# KiCad board Neptune.kicad_pcb (continued)
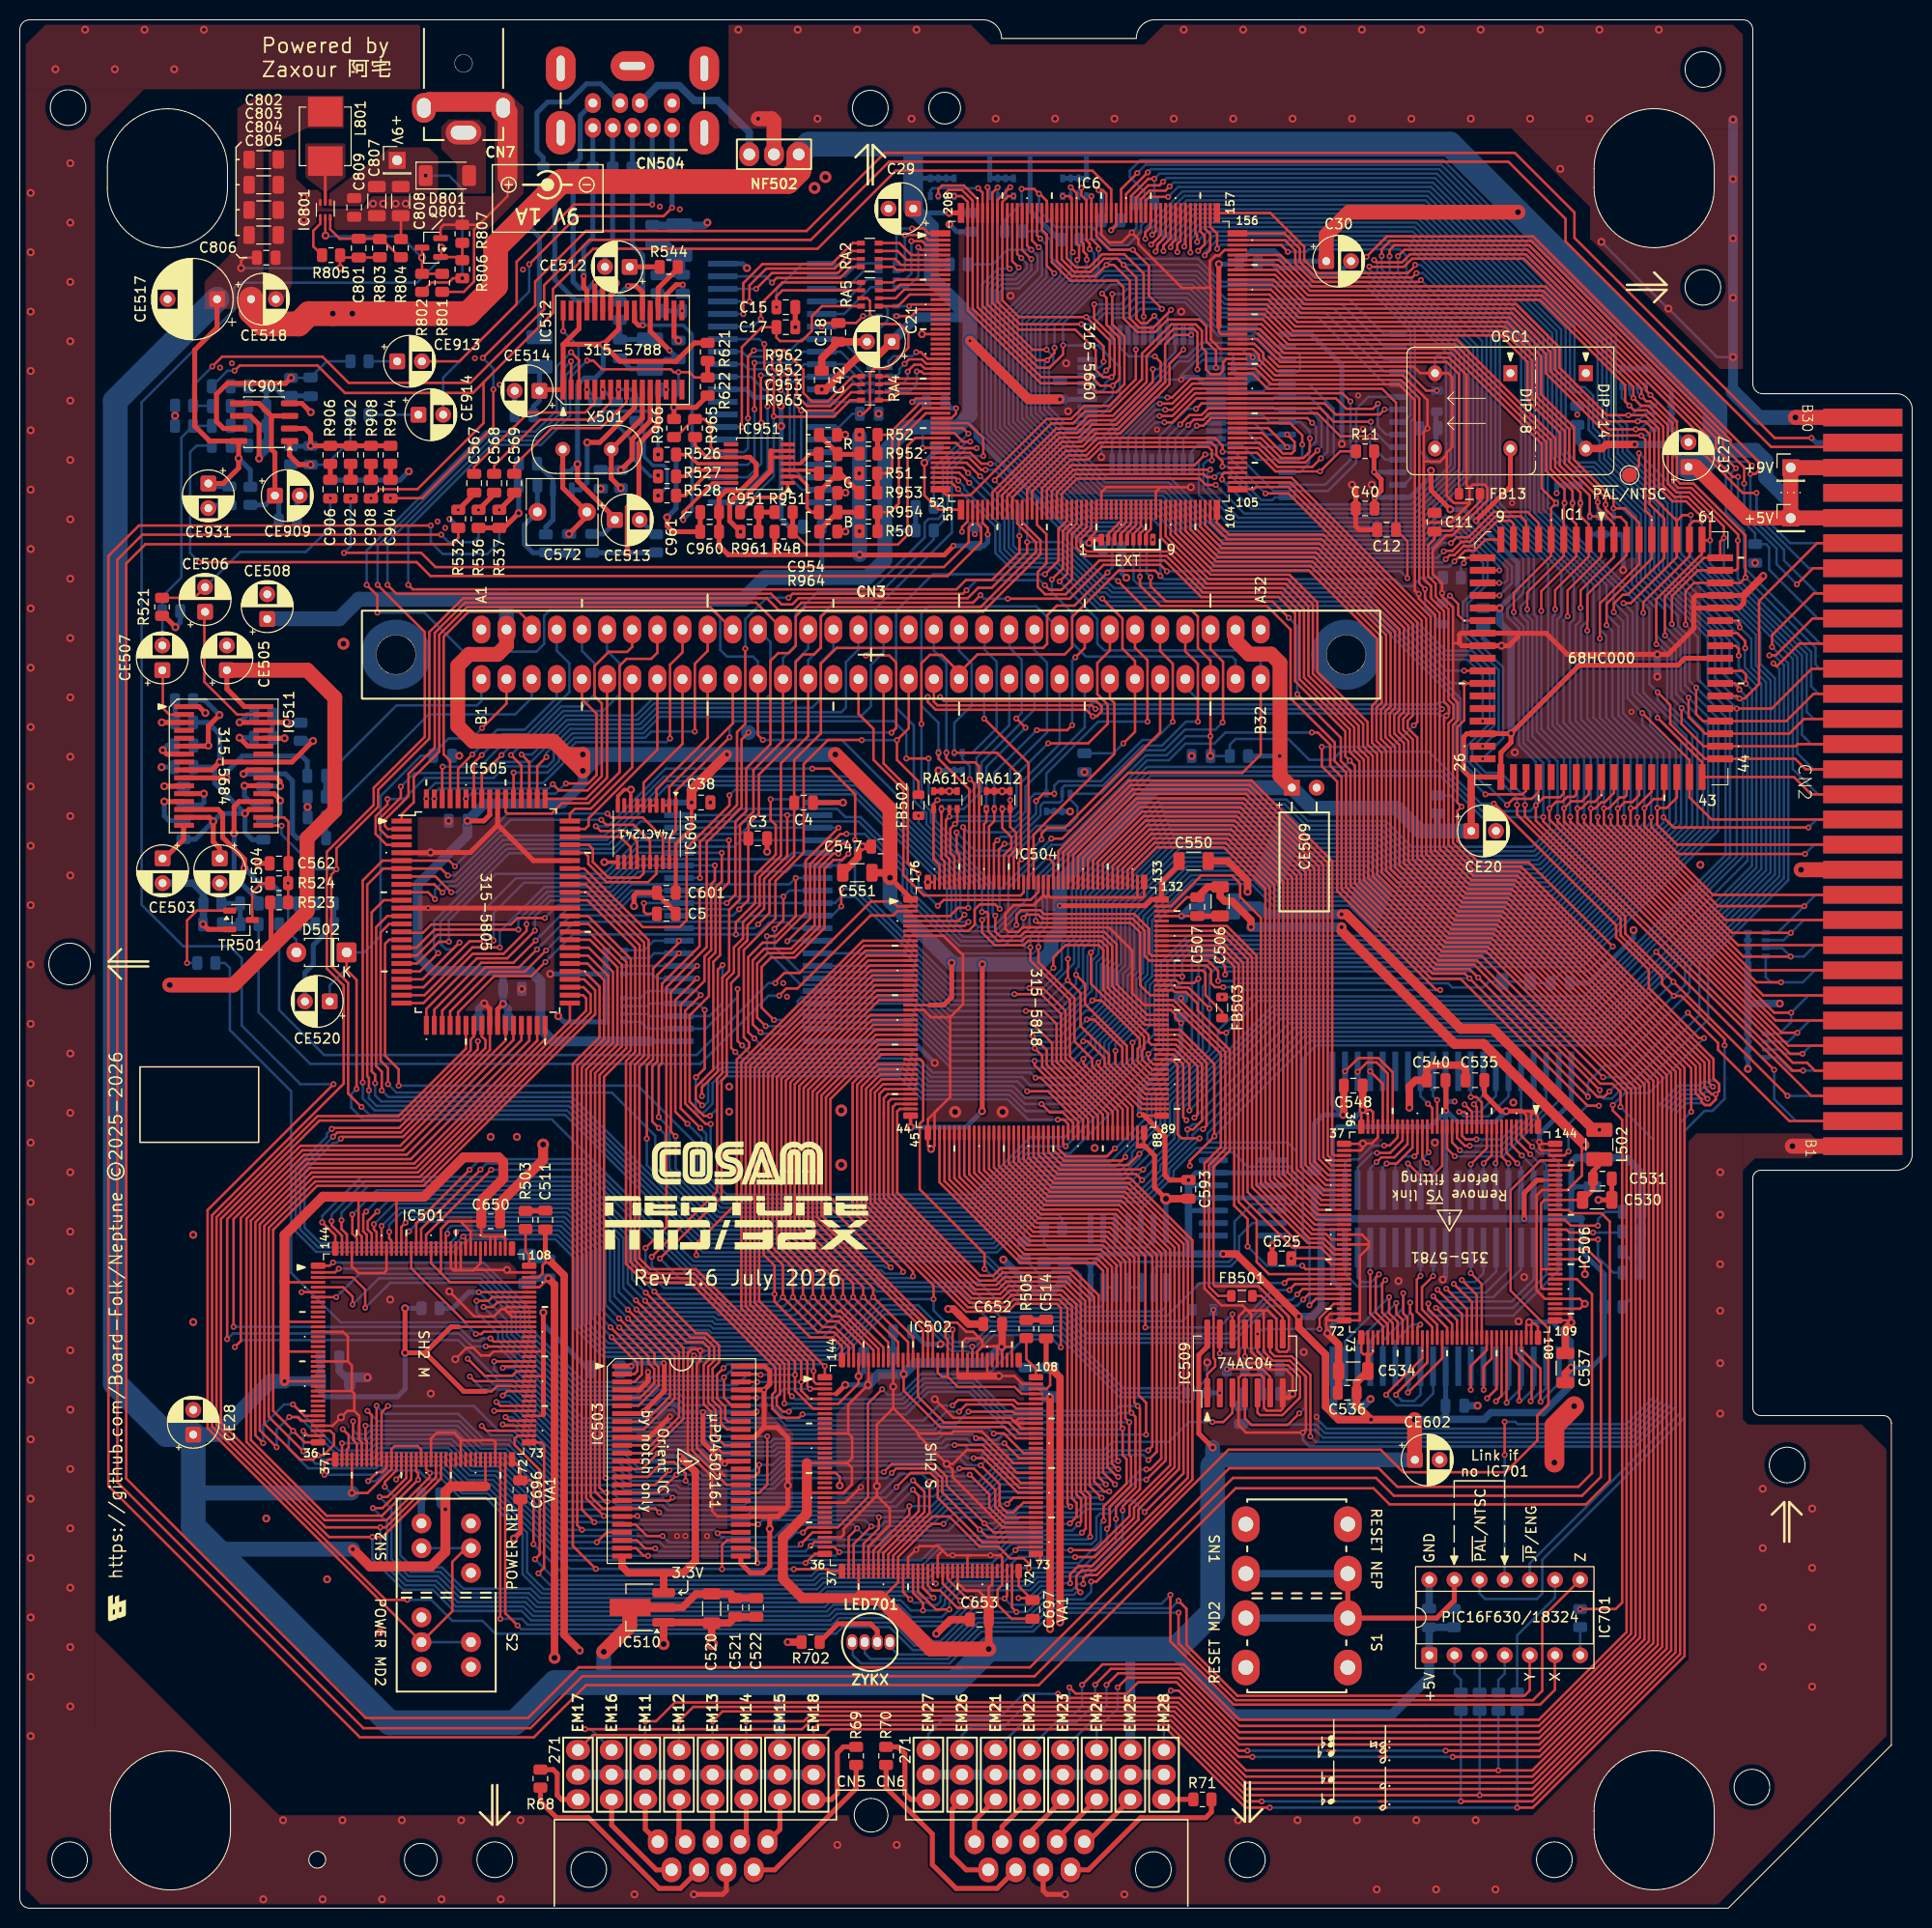
[diagram p0: board, top side]
## Routing (per net, layer and track width the routed paths; a pad name or vN(x,y) marks a point on that pad's centre or on a via; arc(x,y) is an arc through that point) (continued)
SHD11: length 119.5
  Top w0.25: IC504.13 85.72,95.8 74.7,84.78 74.7,61.39 81.29,54.8 v1(81.34,54.8) IC502.1 ; v1(31.65,65.28) 31.32,64.95 IC501.1 ; v1(71.1,54.6) 70.45,53.95 70.45,51.52 71.28,50.69 71.28,49.48 71.56,49.2 IC503.43
  Bottom w0.25: v1(31.65,65.28) 46.85,65.28 51.47,60.65 51.47,58.75 57.05,53.18 63.38,53.18 63.97,53.77 70.27,53.77 v1(71.1,54.6) 71.5,55 81.14,55 v1(81.34,54.8)
SHD12: length 117.1
  Top w0.25: IC504.12 85.58,96.3 74.25,84.97 74.25,61.2 80.2,55.26 v1(80.2,54.3) 80.2,53.27 80.47,53 IC502.2 ; IC503.45 71.94,50.8 71.53,51.22 71.53,51.22 71.15,51.6 v1(71.15,53.65) ; v1(32.23,64.65) 31.85,64.28 IC501.2
  Bottom w0.25: v1(80.2,54.3) 79.95,54.55 72.05,54.55 v1(71.15,53.65) 70.82,53.32 64.16,53.32 63.56,52.72 56.86,52.72 51.03,58.56 51.03,60.46 46.84,64.65 v1(32.23,64.65)
SHD13: length 119.1
  Top w0.25: v1(34.9,60.7) 34.9,62.53 33.65,63.78 IC501.3 ; IC504.11 85.45,96.8 73.8,85.15 73.8,61.02 79.57,55.24 79.57,52.78 v1(79.85,52.5) IC502.3 ; v1(74.4,51.6) IC503.46
  Bottom w0.25: v1(34.9,60.7) 37.42,63.22 46.35,63.22 49.67,59.9 49.67,58 56.3,51.38 64.12,51.38 64.72,51.97 66.65,51.97 67.02,51.6 v1(74.4,51.6) 76.3,51.6 77.2,52.5 v1(79.85,52.5)
SHD14: length 119
  Top w0.25: IC502.5 79.78,51.5 78.95,52.33 v1(78.95,53.2) 78.95,55.23 73.35,60.83 73.35,85.34 85.31,97.3 IC504.10 ; v1(74.5,53.2) IC503.48 ; IC501.5 32.67,62.78 33.62,61.83 v1(33.62,61.03)
  Bottom w0.25: v1(33.62,61.03) 36.28,63.68 46.54,63.68 50.12,60.09 50.12,58.19 56.49,51.83 63.93,51.83 64.53,52.42 73.72,52.42 v1(74.5,53.2) v1(78.95,53.2)
SHD15: length 119.3
  Top w0.25: IC504.9 85.17,97.8 72.9,85.53 72.9,60.65 78.32,55.22 v1(78.32,53.92) 78.32,52.32 80.15,50.5 IC502.7 ; IC503.49 74.77,54 v1(74.85,53.92) ; IC501.7 v1(31.97,61.78)
  Bottom w0.25: v1(31.97,61.78) 34.32,64.12 46.73,64.12 50.57,60.28 50.57,58.38 56.68,52.28 63.75,52.28 64.35,52.87 72.45,52.87 73.49,53.92 v1(74.85,53.92) v1(78.32,53.92)
SHDREQ0: length 144.2
  Top w0.25: v1(99.5,31.3) 99.75,31.55 IC502.70 ; IC504.66 102.42,75.97 104.62,73.78 112.22,73.78 118.47,67.53 118.47,43.34 108.81,33.68 107.7,33.68 107.45,33.43 v1(107.45,32.78) ; v1(48.55,29.25) IC501.70
  Bottom w0.25: v1(48.55,29.25) 50.72,29.25 51.32,28.65 82.1,28.65 82.77,29.33 88.27,29.33 90.59,27 93.02,27 97.32,31.3 v1(99.5,31.3) 100.12,30.68 101.9,30.68 103.35,32.12 106.3,32.12 106.95,32.78 v1(107.45,32.78)
SHDREQ1: length 145.3
  Top w0.25: v1(107.16,31.94) 106.75,32.35 106.75,33.6 107.3,34.15 108.65,34.15 118.03,43.53 118.03,67.34 112.04,73.33 104.44,73.33 101.92,75.84 IC504.65 ; v1(50.29,28.58) 49.05,29.82 IC501.71 ; v1(100.7,29.95) 100.25,30.4 IC502.71
  Bottom w0.25: v1(50.29,28.58) 50.67,28.2 82.28,28.2 82.96,28.88 88.08,28.88 90.4,26.55 93.2,26.55 96.6,29.95 v1(100.7,29.95) 101.81,29.95 103.53,31.67 106.49,31.67 106.75,31.94 v1(107.16,31.94)
SHRDWR: length 136.2
  Top w0.25: IC504.59 98.92,75.02 103.32,70.62 110.92,70.62 115.32,66.22 115.32,45.45 114.22,44.35 v1(113.82,44.35) ; v1(67.28,43.2) 67.28,43.95 66.12,45.1 64.95,45.1 63.45,43.6 IC503.15 ; IC502.77 98.38,38 v1(97.47,38.9) 93.65,42.73 93.65,43.63 92.38,44.9 88.1,44.9 v1(87.3,44.1) ; IC501.77 49.46,49.28 v1(49.08,49.65)
  Bottom w0.25: v1(113.82,44.35) 113.25,44.35 109.77,40.87 107.64,40.87 106.75,39.97 100.81,39.97 100.59,39.75 99.28,39.75 98.43,38.9 v1(97.47,38.9) ; v1(87.3,44.1) 77.26,44.1 76.01,42.85 67.62,42.85 v1(67.28,43.2) 61.7,43.2 60.32,44.58 54.83,44.58 49.76,49.65 v1(49.08,49.65)
SL1: length 23.2
  Bottom w0.25: C591.1 38.07,121.59 46.2,121.59 46.64,122.03 CN3.b1
  Bottom w0.5: C591.1 30.91,114.43 R512.2
SL2: length 199.1
  Top w0.25: CN2.b29 185.78,147.73 176.94,147.73 156.17,168.49 156.17,170.78 150.4,176.55 87.82,176.55 79.93,168.65 57.57,168.65 52.97,164.06 52.97,161.64 45.53,154.2 33.22,154.2 30.57,156.85 20.44,156.85 v1(19.44,155.85)
  Bottom w0.25: 19.41,151.85 C903.1 ; 19.42,151.88 17.54,151.88 R41.1 17.51,153.91 19.44,155.84 v1(19.44,155.85)
SL4: length 25.4
  Bottom w0.25: CE507.2 14.4,132.6 16.32,134.53 16.32,148.66 R909.1 17.51,149.85 C905.1 ; 19.38,149.88 19.4,149.85
SR1: length 29.8
  Bottom w0.25: CN3.b3 51.72,122.34 50.06,120.69 41.33,120.69 R511.2
  Bottom w0.5: R511.2 30.91,108.21 C589.1
SR2: length 183.9
  Top w0.25: v1(47.85,153.53) 47.85,149.73 40.66,142.54 v1(37.45,142.54) ; v1(181.03,148.62) 177.31,148.62 157.08,168.86 157.08,171.43 151.05,177.45 87.39,177.45 79.49,169.55 57.2,169.55 52.07,164.43 52.07,162.02 v1(46.78,156.72)
  Bottom w0.25: v1(47.85,153.53) 47.85,155.64 v1(46.78,156.72)
  Bottom w0.5: v1(181.03,148.62) 181.49,148.16 CN2.a29
SR4: length 22.9
  Top w0.25: R521.1 17.64,132.46 CE506.2
  Bottom w0.25: v1(31.38,142.54) 31.38,139.57 28.9,137.1 22.28,137.1 CE506.2
TX0M: length 69.3
  Top w0.25: v1(46.15,61.4) 47.37,61.4 47.74,61.78 IC501.102 ; IC502.101 100.53,50 100.33,50.2 v1(95.85,50.2)
  Bottom w0.25: v1(46.15,61.4) 46.15,60.28 48.32,58.1 48.32,57.45 56.7,49.08 76.46,49.08 77.19,48.35 92.41,48.35 93.01,48.95 94.6,48.95 v1(95.85,50.2)
TX0S: length 68.1
  Top w0.25: IC502.102 100.67,50.5 100.25,50.93 95.63,50.93 v1(94.9,50.2) ; v1(46.85,60.78) 47.78,60.78 48.28,61.28 IC501.101
  Bottom w0.25: v1(94.9,50.2) 93.62,50.2 92.22,48.8 77.38,48.8 76.65,49.53 66.84,49.53 65.99,50.37 65.38,50.37 64.53,49.53 56.88,49.53 48.78,57.63 48.78,58.85 v1(46.85,60.78)
VA1: length 314.2
  Top w0.25: v1(72.35,98.44) 72.35,99.66 74.3,101.61 74.3,104.43 76.38,106.51 76.38,109.5 75.86,110.02 v1(75.86,112.1) ; v1(102.1,97.13) 102.1,95.8 106.1,91.8 106.1,86.1 111.42,80.77 IC504.84 ; v1(53.1,95.65) 51.67,94.22 47.92,94.22 44.28,90.58 IC505.29 ; v1(128.12,167.45) 127.44,168.12 IC6.154 ; IC1.32 155.99,112.69 155.6,112.3 153.99,112.3 v1(153.18,111.49) 153.18,109.95 181.01,82.12 CN2.b3
  Bottom w0.25: 102.02,99.13 102.02,100.36 101.66,100.73 101.12,100.73 98.6,98.2 95.3,98.2 93.67,99.83 93.67,103.05 84.12,112.6 79.05,112.6 78.55,112.1 v1(75.86,112.1) ; 102.02,99.08 101.3,98.35 101.3,97.4 101.57,97.13 v1(102.1,97.13) 102.1,98.3 103.35,99.55 103.35,104.21 114.06,114.93 143.72,114.93 147.75,110.9 152.59,110.9 v1(153.18,111.49) 153.18,115.89 151.47,117.59 151.47,129.4 150.5,130.37 150.33,130.55 150.33,130.76 150.32,130.77 150.32,131.28 150.33,131.29 150.33,131.38 151.91,132.96 151.91,136.44 147.28,141.07 147.28,157.92 140.11,165.09 140.11,167.02 139.88,167.26 139.88,167.26 139.51,167.63 139.51,167.63 139.43,167.7 130.22,167.7 129.97,167.45 v1(128.12,167.45) ; IC2.11 80.58,99.05 78.15,99.05 77.55,99.65 75.7,99.65 74.49,98.44 v1(72.35,98.44) 55.89,98.44 v1(53.1,95.65)
VA2: length 287.9
  Top w0.25: IC504.83 110.92,80.64 105.65,85.91 105.65,90.72 103.35,93.02 v1(102,93.02) ; IC505.28 43.48,90.66 47.49,94.68 51.03,94.68 v1(53.17,96.83) ; IC6.155 127.82,168.62 128.88,167.57 128.88,166.25 130.73,164.4 141.37,164.4 v1(141.57,164.59) ; IC1.33 157.27,112.59 157.03,112.35 156.35,112.35 155.85,111.85 155.22,111.85 v1(154.55,111.18) 154.55,110.05 179.13,85.47 180.58,85.47 181.39,84.66 CN2.b4 ; v1(83,103.03) v1(83,101.28)
  Bottom w0.25: v1(53.17,96.83) 56.06,99.72 73.1,99.72 73.72,100.33 80.59,100.33 IC2.10 82.06,100.34 v1(83,101.28) ; v1(83,103.03) 84.26,103.03 94.26,93.02 v1(102,93.02) 103.37,93.02 105.28,94.93 105.28,97.43 106.3,98.46 106.3,103.22 115.16,112.08 127.97,112.08 130.15,109.9 138.03,109.9 140.63,107.3 152.79,107.3 154.55,109.06 v1(154.55,111.18) 154.55,115.95 152.38,118.12 152.38,129.99 151.66,130.71 151.66,131.6 152.46,132.4 152.46,136.53 147.74,141.25 147.74,158.42 v1(141.57,164.59)
VA3: length 287.4
  Top w0.25: IC6.156 127.79,169.3 129.32,167.76 129.32,166.44 130.91,164.85 140.68,164.85 v1(141.11,165.29) ; IC1.34 158.53,112.61 157.83,111.9 156.75,111.9 v1(156.03,111.18) 156.03,109.85 178.68,87.2 CN2.b5 ; v1(52.25,96.93) 50.45,95.12 47.06,95.12 42.68,90.75 IC505.27 ; v1(100.5,92.4) 103.2,92.4 105.2,90.4 105.2,85.72 110.42,80.5 IC504.82
  Bottom w0.25: v1(141.11,165.29) 141.76,165.29 148.19,158.85 148.19,141.43 152.98,136.64 152.98,130.82 153.28,130.52 153.28,118.95 156.03,116.2 156.03,109.26 153.17,106.4 140.25,106.4 137.65,109 129.78,109 127.6,111.18 115.53,111.18 107.2,102.84 107.2,98.09 106.53,97.41 106.53,95.53 103.4,92.4 v1(100.5,92.4) 94.25,92.4 84.43,102.22 82.97,102.22 82.36,101.61 IC2.9 72.37,101.61 71.75,100.99 64.21,100.99 63.57,100.35 55.67,100.35 v1(52.25,96.93)
VA4: length 299.2
  Top w0.25: v1(101.65,90.7) 103.44,90.7 104.75,89.39 104.75,85.54 109.92,80.36 IC504.81 ; IC505.26 41.88,90.83 46.63,95.58 49.88,95.58 v1(52.12,97.83) ; v1(76.25,99) 77.15,99.91 v1(77.15,102.27) ; 120.95,171.38 126.35,171.38 129.78,167.95 129.78,166.62 131.1,165.3 140.25,165.3 140.97,166.03 v1(140.97,166.12) ; IC1.35 159.8,112.53 159.13,111.85 158.46,111.85 157.78,111.18 v1(157.37,111.18) 157.37,109.77 177.41,89.74 CN2.b6
  Bottom w0.25: v1(140.97,166.12) 141.56,166.12 148.64,159.04 148.64,141.62 154.41,135.85 154.41,119.27 157.37,116.3 157.37,109.34 153.54,105.5 139.88,105.5 137.28,108.1 129.4,108.1 127.23,110.28 115.9,110.28 108.1,102.47 108.1,97.68 107.43,97 107.43,93.23 104.9,90.7 v1(101.65,90.7) 94.04,90.7 90.11,94.64 78.81,94.64 76.25,97.2 v1(76.25,99) ; v1(52.12,97.83) 55.26,100.96 60.54,100.96 61.84,102.25 77.13,102.25 77.76,102.88 IC2.8 80.68,102.8
VA5: length 305.6
  Top w0.25: CN2.b7 176.14,92.28 158.72,109.7 v1(158.72,111.18) 159.17,111.18 159.79,111.8 160.13,111.8 161.08,112.75 161.08,114.36 ; v1(75.48,98.27) 76.39,98.27 78.4,100.28 v1(78.4,104.15) ; IC505.25 41.08,90.91 46.19,96.03 49.25,96.03 v1(52.05,98.83) ; v1(120.97,167.75) 120.97,169.28 120.28,169.98 120.28,171.88 ; IC504.80 109.42,80.23 104.3,85.35 104.3,87.45 v1(102.3,89.45)
  Bottom w0.25: v1(52.05,98.83) 52.05,100.28 53.63,101.86 60.17,101.86 61.81,103.5 77.75,103.5 v1(78.4,104.15) IC2.7 80.65,104.2 ; v1(120.97,167.75) 121.37,168.15 140.17,168.15 149.09,159.23 149.09,141.81 155.75,135.15 155.75,130.69 155.33,130.26 155.33,119.75 158.72,116.35 158.72,109.41 153.91,104.6 139.51,104.6 136.91,107.2 129.03,107.2 126.86,109.38 116.28,109.38 109,102.1 109,96.45 108.33,95.77 108.33,92.78 106.91,91.36 106.9,91.36 104.99,89.45 v1(102.3,89.45) 94.02,89.45 90.13,93.34 78.91,93.34 75.48,96.77 v1(75.48,98.27)
VA6: length 325.4
  Top w0.25: v1(51.2,99.48) 51.2,98.8 48.88,96.47 45.76,96.47 40.78,91.5 IC505.24 ; v1(83.72,106.6) 83.1,105.98 82.21,105.98 81.3,105.06 81.3,99.1 78.3,96.1 75.9,96.1 74.95,95.15 74.95,91.04 v1(76.2,89.79) ; CN2.b8 174.88,94.82 160.05,109.65 v1(160.05,111.18) 160.53,111.18 161.66,112.3 162.13,112.3 162.34,112.52 IC1.37 ; 119.78,171.88 119.78,169.75 120.28,169.25 120.28,167.64 v1(119.72,167.09) ; IC504.79 108.92,80.09 103.75,85.27 103.75,86.75 v1(102.3,88.2)
  Bottom w0.25: v1(51.2,99.48) 51.2,100.06 53.45,102.31 59.98,102.31 62.47,104.8 77.47,104.8 78.09,105.42 IC2.6 82.54,105.42 v1(83.72,106.6) ; v1(76.2,89.79) 77.13,89.79 78.6,91.25 78.6,91.71 78.97,92.08 90.12,92.08 94,88.2 v1(102.3,88.2) 105.17,88.2 107.72,90.75 108.34,90.75 109.23,91.64 109.23,95.4 109.9,96.07 109.9,101.73 116.65,108.48 126.48,108.48 128.66,106.3 136.54,106.3 139.14,103.7 154.28,103.7 160.05,109.47 160.05,116.48 156.6,119.93 156.6,129.87 157.03,130.3 157.03,134.5 149.54,141.99 149.54,159.41 140.35,168.6 120.93,168.6 119.72,167.39 v1(119.72,167.09)
VA7: length 323.8
  Top w0.25: v1(119.06,167.54) 119.06,167.54 119.71,168.19 119.71,169.08 119.28,169.52 119.28,171.88 ; CN2.b9 173.61,97.36 161.46,109.51 v1(161.46,111.17) 161.51,111.17 162.17,111.83 162.93,111.83 163.61,112.51 IC1.38 ; v1(48.5,97.12) 45.72,97.12 40.9,92.3 IC505.23 ; v1(82.7,106.6) 82.2,106.6 80.8,105.2 80.8,99.24 78.11,96.55 75.55,96.55 74.5,95.5 74.5,90.69 74.5,90.69 74.5,90.02 v1(75.36,89.16) ; v1(102.55,86.92) 103.3,86.17 103.3,85.08 108.42,79.95 IC504.78
  Bottom w0.25: v1(82.7,106.6) 80.69,106.6 IC2.5 78.06,106.69 77.42,106.05 62.44,106.05 59.61,103.22 53,103.22 48.5,98.72 v1(48.5,97.12) ; v1(119.06,167.54) 120.57,169.05 140.54,169.05 151.68,157.91 151.68,140.49 158.4,133.77 158.4,130.15 157.75,129.5 157.75,120.17 161.46,116.47 161.46,109.6 154.66,102.8 138.6,102.8 136,105.4 128.29,105.4 126.11,107.58 117.02,107.58 110.8,101.35 110.8,95.68 110.13,95.01 110.13,91.27 105.78,86.92 v1(102.55,86.92) 94,86.92 90.12,90.81 78.97,90.81 77.32,89.16 v1(75.36,89.16)
VA8: length 326.1
  Top w0.25: CN2.b10 172.34,99.9 162.75,109.49 v1(162.75,111.2) 163.21,111.2 164.89,112.88 IC1.39 ; IC505.22 40.8,93.1 45.45,97.75 v1(46.9,97.75) ; 118.78,171.88 118.78,169.3 118.95,169.12 v1(118.95,168.44) ; v1(83.55,107.6) 82.54,107.6 80.3,105.36 80.3,99.37 77.93,97 75.22,97 74.05,95.83 74.05,90.5 74.05,90.5 74.05,89.35 v1(74.85,88.55) ; IC504.77 107.92,79.82 102.53,85.22 v1(102.53,85.65)
  Bottom w0.25: v1(83.55,107.6) 83.19,107.96 IC2.4 72.86,107.96 72.22,107.32 62.43,107.32 59.24,104.12 50.14,104.12 46.9,100.88 v1(46.9,97.75) ; v1(118.95,168.44) 120.01,169.5 140.73,169.5 152.13,158.1 152.13,140.67 159,133.8 159,120.35 162.75,116.6 v1(162.75,111.2) 162.75,109.62 155.03,101.9 138.23,101.9 135.63,104.5 127.91,104.5 125.74,106.68 117.4,106.68 111.7,100.98 111.7,95.31 111.03,94.63 111.03,90.89 108.22,88.09 108.22,87.54 106.34,85.65 v1(102.53,85.65) 94,85.65 90.1,89.55 78.8,89.55 77.65,88.4 75,88.4 v1(74.85,88.55)
VA9: length 332.6
  Top w0.25: IC504.76 107.42,79.68 103.16,83.95 v1(102.62,83.95) ; IC1.40 166.16,112.38 165.91,112.12 165.08,112.12 v1(164.15,111.2) 164.15,109.36 171.08,102.44 CN2.b11 ; v1(82.72,109.22) 79.4,105.9 79.4,100.64 76.36,97.6 75.05,97.6 73.6,96.15 73.6,88.55 v1(74.22,87.93) ; IC505.21 40.7,93.9 v1(44.42,97.62) ; v1(118.28,167.38) 118.28,171.88
  Bottom w0.25: v1(118.28,167.38) 118.3,167.4 118.3,168.68 119.57,169.95 140.91,169.95 152.58,158.28 152.58,140.86 159.62,133.82 159.62,129.3 160.28,128.65 160.28,120.38 164.15,116.5 164.15,109.75 155.4,101 137.85,101 135.25,103.6 127.54,103.6 125.37,105.78 117.77,105.78 112.6,100.61 112.6,94.94 111.93,94.26 111.93,90.52 109.12,87.72 109.12,86.58 106.5,83.95 v1(102.62,83.95) 102.1,84.47 92.25,84.47 89.92,86.8 75.35,86.8 v1(74.22,87.93) ; v1(44.42,97.62) 43.72,96.93 43.07,96.93 42.5,97.5 42.5,99.7 49.45,106.65 60.13,106.65 62.07,108.59 72.84,108.59 73.48,109.23 IC2.3 82.72,109.23 v1(82.72,109.22)
VA10: length 329
  Top w0.25: v1(42.28,96.55) 40.42,94.7 IC505.20 ; v1(72.3,86.55) 71.88,86.97 71.88,93.53 72.65,94.3 72.65,96.99 73.44,97.78 73.44,97.78 73.52,97.86 73.52,99.37 75.2,101.05 75.2,104.04 77.54,106.38 77.54,106.39 77.54,106.39 77.54,109.61 77.54,109.62 v1(77.54,110.5) ; IC504.75 106.92,79.54 103.89,82.58 v1(101.78,82.58) ; IC1.41 167.42,112.27 166.38,111.23 v1(165.45,111.23) 165.45,109.5 167.43,107.52 CN2.b13 ; v1(117.65,167.98) 117.78,168.1 117.78,171.88
  Bottom w0.25: v1(42.28,96.55) 41.85,96.97 41.85,99.75 49.2,107.1 59.95,107.1 62.7,109.86 72.25,109.86 72.9,110.5 v1(77.54,110.5) IC2.2 ; v1(117.65,167.98) 117.65,168.73 119.32,170.4 141.1,170.4 153.03,158.47 153.03,141.05 160.33,133.75 160.33,130.78 161.53,129.57 161.53,120.58 165.45,116.65 v1(165.45,111.23) 165.45,109.78 155.77,100.1 137.48,100.1 134.88,102.7 127.17,102.7 124.99,104.88 118.14,104.88 113.5,100.23 113.5,94.56 112.83,93.89 112.83,90.15 110.03,87.35 110.03,85.58 107.03,82.58 v1(101.78,82.58) 100.79,83.58 91.88,83.58 89.55,85.9 72.95,85.9 v1(72.3,86.55)
VA11: length 329.1
  Top w0.25: v1(116.95,167.43) 116.95,168.2 117.28,168.53 117.28,171.88 ; IC505.19 40.15,95.5 42.35,97.7 v1(43.35,97.7) ; IC504.74 106.42,79.41 105.38,80.45 104.08,80.45 v1(103.22,81.3) ; v1(68.94,81.16) 68.3,81.8 68.3,83 70.07,84.78 70.07,95.67 70.75,96.34 70.75,102.79 71.65,103.69 v1(71.65,107.96) ; v1(163.93,120.83) 168.7,116.06 168.7,112.3 170.93,110.06 CN2.b14
  Bottom w0.25: v1(71.65,107.96) IC2.37 62.44,107.96 59.05,104.57 48.07,104.57 43.35,99.85 v1(43.35,97.7) ; v1(68.94,81.16) 69.19,81.16 69.55,81.52 69.55,83.61 70.94,85 89.18,85 91.5,82.68 100.17,82.68 101.55,81.3 v1(103.22,81.3) 107.02,81.3 111.4,85.68 111.4,87.45 113.73,89.78 113.73,93.52 114.4,94.19 114.4,99.86 118.51,103.97 124.62,103.97 126.79,101.8 134.51,101.8 137.11,99.2 156.15,99.2 166.7,109.75 166.7,116.88 163.93,119.64 v1(163.93,120.83) 162.45,122.31 162.45,130.62 161.05,132.03 161.05,133.66 153.48,141.23 153.48,158.66 141.29,170.85 119.03,170.85 116.95,168.78 v1(116.95,167.43)
VA12: length 321.5
  Top w0.25: CN2.b15 181.01,112.6 179.25,114.36 IC1.43 169.97,115.85 v1(165.47,120.34) ; v1(116.28,167.9) 116.28,168.17 116.78,168.67 116.78,171.88 ; v1(47.88,97.83) 47.3,98.4 42.2,98.4 40.1,96.3 IC505.18 ; v1(104.88,79.72) 105.47,79.72 105.92,79.27 IC504.73 ; v1(69.73,80.1) 69.12,80.1 67.68,81.54 67.68,90.26 69.62,92.2 69.62,95.94 70.3,96.62 70.3,103.18 70.92,103.81 v1(70.92,106.69)
  Bottom w0.25: 69.65,106.69 IC2.36 ; 69.65,106.69 v1(70.92,106.69) ; 69.65,106.69 62.44,106.69 59.42,103.67 50.94,103.67 47.88,100.61 v1(47.88,97.83) ; v1(116.28,167.9) 116.45,168.07 116.45,169.03 118.72,171.3 141.47,171.3 153.93,158.84 153.93,141.42 163.4,131.95 163.4,122.88 165.47,120.8 v1(165.47,120.34) 167.85,117.97 167.85,109.63 156.52,98.3 118,98.3 115.3,95.6 115.3,93.82 114.63,93.14 114.63,88.35 113.25,86.97 113.25,86.25 106.72,79.72 v1(104.88,79.72) 101.85,79.72 99.8,81.78 91.13,81.78 88.81,84.1 71.31,84.1 70.45,83.24 70.45,80.82 v1(69.73,80.1)
VA13: length 323.9
  Top w0.25: IC504.72 105.42,77.28 v1(105.68,77.02) ; v1(165.47,122.93) 166.75,121.65 166.75,119.72 170.28,116.2 179.38,116.2 180.44,115.14 CN2.b16 ; v1(115.55,167.53) 115.55,168.08 116.28,168.81 116.28,171.88 ; v1(70.22,105.42) 70.22,103.9 69.85,103.52 69.85,96.87 69.17,96.19 69.17,93.72 66.78,91.33 66.78,80.85 v1(68.75,78.88) ; IC505.17 40.07,97.1 41.9,98.93 v1(50.38,98.93)
  Bottom w0.25: v1(70.22,105.42) IC2.35 62.45,105.42 59.79,102.76 53.26,102.76 50.38,99.87 v1(50.38,98.93) ; v1(68.75,78.88) 69.35,78.28 69.35,73.59 71.24,71.7 96.49,71.7 101.81,77.02 v1(105.68,77.02) 115.53,86.87 115.53,92.77 116.65,93.9 116.65,95.68 118.37,97.4 156.89,97.4 168.97,109.48 168.97,118.64 165.47,122.14 v1(165.47,122.93) 164.65,123.75 164.65,131.34 154.38,141.61 154.38,159.03 141.66,171.75 118.45,171.75 116,169.3 116,168.51 115.55,168.06 v1(115.55,167.53)
VA14: length 317.8
  Top w0.25: CN2.b17 179.61,117.68 179.4,117.47 IC1.45 170.14,117.47 167.9,119.7 v1(167.9,121.32) ; IC505.16 37.32,97.9 36.91,97.49 36.91,86.18 38.28,84.81 v1(38.28,83.15) ; v1(114.75,167.47) 114.93,167.65 114.93,168.16 115.78,169.01 115.78,171.88 ; IC504.71 104.92,76.78 105.67,76.03 109.85,76.03 v1(110.64,76.81)
  Bottom w0.25: v1(38.28,83.15) 62.45,83.15 68.45,77.16 68.45,73.21 70.86,70.8 96.86,70.8 101.93,75.87 109.69,75.87 v1(110.64,76.81) 110.73,76.81 113.9,79.99 113.9,82.4 118.42,86.92 118.42,95.88 119.05,96.5 157.27,96.5 170.08,109.31 170.08,119.14 v1(167.9,121.32) 166.9,122.32 166.9,127.11 165.33,128.68 165.33,131.41 162.89,133.85 162.89,140.52 158.61,144.8 156.69,144.8 154.83,146.66 154.83,159.21 141.84,172.2 118.17,172.2 115.5,169.53 115.5,168.65 114.92,168.07 114.92,167.64 v1(114.75,167.47)
VA15: length 333.4
  Top w0.25: IC504.70 104.42,76.64 105.49,75.58 111.33,75.58 v1(111.7,75.95) ; v1(53.05,100.1) 50.28,100.1 49.63,99.45 41.58,99.45 40.73,98.6 38.95,98.6 ; v1(68.68,102.88) 68.68,97.25 64.88,93.45 64.88,85.44 64.56,85.12 v1(64.56,79.97) ; CN2.b18 180.27,120.22 178.78,118.73 170.29,118.73 168.61,120.42 v1(168.61,122.38) ; v1(114.3,168.17) 115.28,169.15 115.28,171.88
  Bottom w0.25: v1(68.68,102.88) IC2.33 61.82,102.88 60.35,101.41 54.36,101.41 v1(53.05,100.1) ; v1(114.3,168.17) 115.05,168.92 115.05,169.8 117.9,172.65 142.03,172.65 155.28,159.4 155.28,146.87 156.9,145.25 158.8,145.25 163.34,140.71 163.34,134.13 166.22,131.25 166.22,129.55 167.8,127.98 167.8,123.19 v1(168.61,122.38) 171.1,119.89 171.1,109.06 157.64,95.6 120.3,95.6 119.75,95.05 119.75,93.4 119.53,93.18 119.53,86.75 114.8,82.02 114.8,79.46 111.7,76.36 v1(111.7,75.95) 110.73,74.97 102.3,74.97 97.23,69.9 70.49,69.9 65.65,74.74 65.65,77.77 65.64,77.78 65.64,78.3 65.65,78.31 65.65,78.88 v1(64.56,79.97)
VA16: length 325.3
  Top w0.25: v1(114.4,169.16) 114.78,169.53 114.78,171.88 ; IC505.14 37.32,99.5 36.45,98.64 36.45,85.68 37.2,84.93 v1(37.2,83.3) ; v1(169.37,123.4) 169.37,120.7 170.07,120.01 IC1.47 178.48,120.01 181.23,122.76 CN2.b19 ; 103.92,78.22 103.92,76.47 105.28,75.12 111.99,75.12 v1(113.12,76.26)
  Bottom w0.25: v1(37.2,83.3) 38.05,82.45 59.82,82.45 64.2,78.08 64.2,74.92 70.12,69 97.6,69 102.67,74.07 111.35,74.07 113.12,75.84 v1(113.12,76.26) 115.7,78.84 115.7,81.65 121.05,87 121.05,88.7 124.53,92.18 158.05,92.18 172.35,106.48 172.35,120.43 v1(169.37,123.4) 168.7,124.08 168.7,128.49 167.55,129.64 167.55,130.65 163.79,134.41 163.79,140.89 158.98,145.7 157.11,145.7 155.73,147.08 155.73,159.59 142.22,173.1 117.65,173.1 114.4,169.85 114.4,169.16 v1(114.4,169.16)
VA17: length 325.4
  Top w0.25: v1(113.71,168.75) 113.71,169.4 114.25,169.94 114.25,171.35 114.28,171.38 114.28,171.88 ; IC504.68 103.42,76.28 105.03,74.68 v1(113.5,74.68) ; IC1.48 173.47,121.28 v1(173.48,121.27) 177.02,121.27 181.05,125.3 CN2.b20 ; IC505.13 37.13,100.3 36,99.18 36,85.12 36.57,84.56 v1(36.57,82.68)
  Bottom w0.25: v1(113.71,168.75) 113.74,168.78 113.74,169.83 117.47,173.55 142.4,173.55 156.18,159.77 156.18,147.28 156.6,146.85 156.61,146.85 157.32,146.15 159.17,146.15 164.24,141.08 164.24,134.74 170.54,128.44 170.54,124.21 173.46,121.29 173.46,121.25 v1(173.48,121.27) 173.47,121.27 173.47,106.33 158.42,91.28 126.65,91.28 117.55,82.17 117.54,82.17 116.65,81.28 116.65,77.8 113.53,74.68 v1(113.5,74.68) 112,73.17 103.05,73.17 97.98,68.1 69.75,68.1 55.85,82 37.25,82 v1(36.57,82.68)
VA18: length 335.9
  Top w0.25: IC1.49 173.5,122.55 v1(173.75,122.29) 174.27,122.29 175.73,123.75 175.73,132.13 181.6,138 CN2.b25 ; IC505.11 36.78,101.9 35.56,100.68 35.56,84.6 35.9,84.26 v1(35.9,83.4) ; 113.78,171.88 113.78,172.63 114.14,173 v1(116.03,173) ; v1(113.39,73.61) 112.78,74.22 104.84,74.22 102.92,76.14 IC504.67
  Bottom w0.25: v1(35.9,83.4) 35.9,82.18 36.53,81.55 55.66,81.55 69.56,67.65 98.16,67.65 103.23,72.72 112.5,72.72 v1(113.39,73.61) 113.48,73.61 114.78,74.9 114.78,75.29 117.1,77.61 117.1,81.09 117.73,81.72 117.73,81.72 126.84,90.83 158.61,90.83 174.11,106.33 174.11,121.93 v1(173.75,122.29) 173.36,122.29 171.29,124.36 171.29,128.32 164.69,134.92 164.69,141.27 159.61,146.35 159.61,148.33 158.51,149.43 158.51,152.69 157.91,153.29 157.11,153.29 156.63,153.77 156.63,159.96 142.59,174 117.03,174 v1(116.03,173)
VA19: length 222.4
  Top w0.25: v1(117.88,79.65) 117.55,79.97 117.55,85.29 116.54,86.3 IC504.101 ; v1(165.35,96.68) 165.35,96.65 v1(177.25,84.75) ; 113.28,171.88 113.28,172.78 114.12,173.62 115.75,173.62 v1(116.18,174.05) ; v1(173.74,123.19) 173.74,123.39 173.31,123.82 171.8,123.82
  Bottom w0.25: v1(116.18,174.05) 116.58,174.45 142.78,174.45 157.08,160.15 157.08,154.08 157.39,153.77 158.11,153.77 158.97,152.91 158.97,149.68 160.07,148.58 160.07,146.52 165.14,141.45 165.14,135.11 171.96,128.29 171.96,124.97 v1(173.74,123.19) 174.56,122.37 174.56,105.89 v1(165.35,96.68) 159.04,90.38 127.03,90.38 117.92,81.27 117.92,81.27 117.55,80.9 117.55,79.97 v1(117.88,79.65) ; CN2.a2 179.47,79.58 177.25,81.8 v1(177.25,84.75)
VA20: length 194.2
  Top w0.25: v1(118.18,80.65) 118.18,85.3 116.67,86.8 IC504.102 ; v1(174.4,123.8) 174.4,124.73 174.04,125.09 IC1.51 ; v1(115.51,174.52) 115.14,174.16 114.01,174.16 112.78,172.93 112.78,171.38
  Bottom w0.25: v1(115.51,174.52) 115.88,174.9 142.99,174.9 159.42,158.47 159.42,149.94 160.53,148.83 160.53,146.7 165.59,141.64 165.59,135.29 172.75,128.13 172.75,125.45 v1(174.4,123.8) 175.01,123.19 175.01,105.39 159.55,89.93 127.45,89.93 v1(118.18,80.65)
VA21: length 288.6
  Top w0.25: v1(80.07,115.2) 81.8,115.2 84.4,112.6 84.4,108 v1(84.38,107.98) ; v1(173.68,126.62) 173.68,127.3 173.35,127.62 IC1.53 ; v1(114.63,174.83) 114.03,174.83 112.28,173.07 112.28,171.88 ; IC601.14 62.38,107.8 61.28,108.9 58.67,108.9 v1(58.2,109.38) ; v1(104.43,95.06) 104.43,96.13 105.65,97.35 109.01,97.35 109.48,96.88 109.48,92.84 114.05,88.27 114.05,87.58 114.32,87.3 IC504.103 116.81,87.3 119,85.11 119,80.24 v1(118.68,79.91)
  Bottom w0.25: C2.1 114.63,172.37 v1(114.63,174.83) 115.15,175.35 143.18,175.35 159.88,158.65 159.88,150.22 160.99,149.11 160.99,146.88 166.04,141.83 166.04,135.48 173.68,127.85 v1(173.68,126.62) 173.68,125.42 175.46,123.64 175.46,105.2 159.74,89.47 128.24,89.47 v1(118.68,79.91) ; v1(80.07,115.2) 65.24,115.2 59.42,109.38 v1(58.2,109.38) ; v1(84.38,107.98) 84.38,103.55 94.17,93.75 103.12,93.75 v1(104.43,95.06)
VA22: length 354.4
  Top w0.25: v1(58.75,110.03) 59.25,109.53 62,109.53 63.67,107.85 IC601.16 ; v1(174.33,127.38) 174.33,128.1 173.53,128.9 IC1.54 ; v1(35.28,82.68) 35.28,83.93 35.1,84.1 35.1,103.47 36.73,105.1 42.56,105.1 v1(43.25,104.4) ; v1(117.97,78.72) 118.55,78.72 119.45,79.62 119.45,85.3 116.95,87.8 IC504.104 ; v1(113.97,175.47) 111.78,173.28 111.78,171.88
  Bottom w0.25: v1(35.28,82.68) 35.28,81.88 36.05,81.1 55.47,81.1 69.37,67.2 98.35,67.2 103.42,72.27 112.93,72.27 115.22,74.56 115.22,75.1 117.97,77.85 v1(117.97,78.72) 118.5,79.25 119.05,79.25 128.82,89.03 159.92,89.03 175.96,105.06 175.96,123.78 174.3,125.44 174.3,127.35 v1(174.33,127.38) 174.33,128.05 166.49,135.89 166.49,142.01 161.45,147.05 161.45,149.38 160.34,150.5 160.34,158.88 143.41,175.8 114.29,175.8 v1(113.97,175.47) ; v1(58.75,110.03) 49.58,110.03 43.95,104.4 v1(43.25,104.4)